# Altium PCB pcb.PcbDoc
Units mm, origin at the board's own origin, x right, y up, seen from the top; angles counter-clockwise.
Board outline 95 x 70 mm, 2 copper layers (Top Layer, Bottom Layer), stack 1.58 mm thick; 48 components, 33 nets, 129 pads, 44 vias.
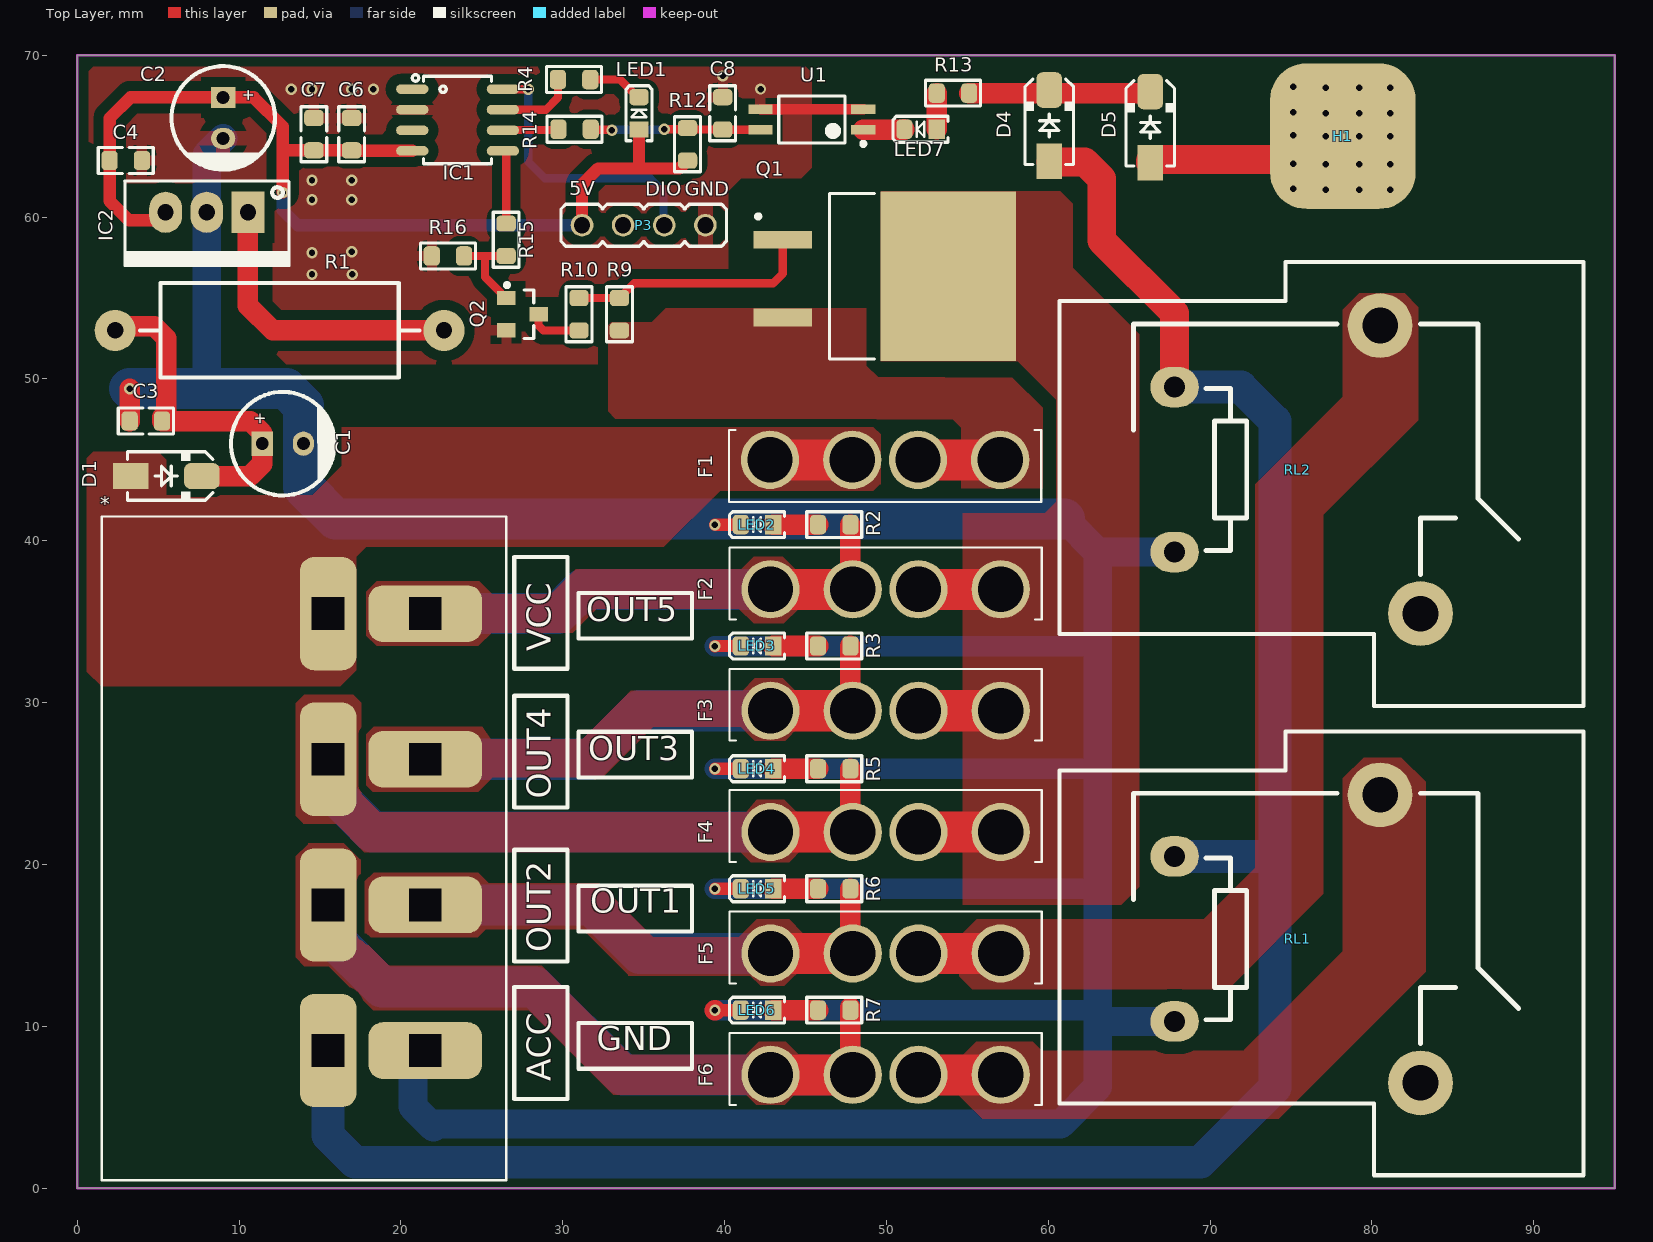
[diagram p0: Top Layer view]
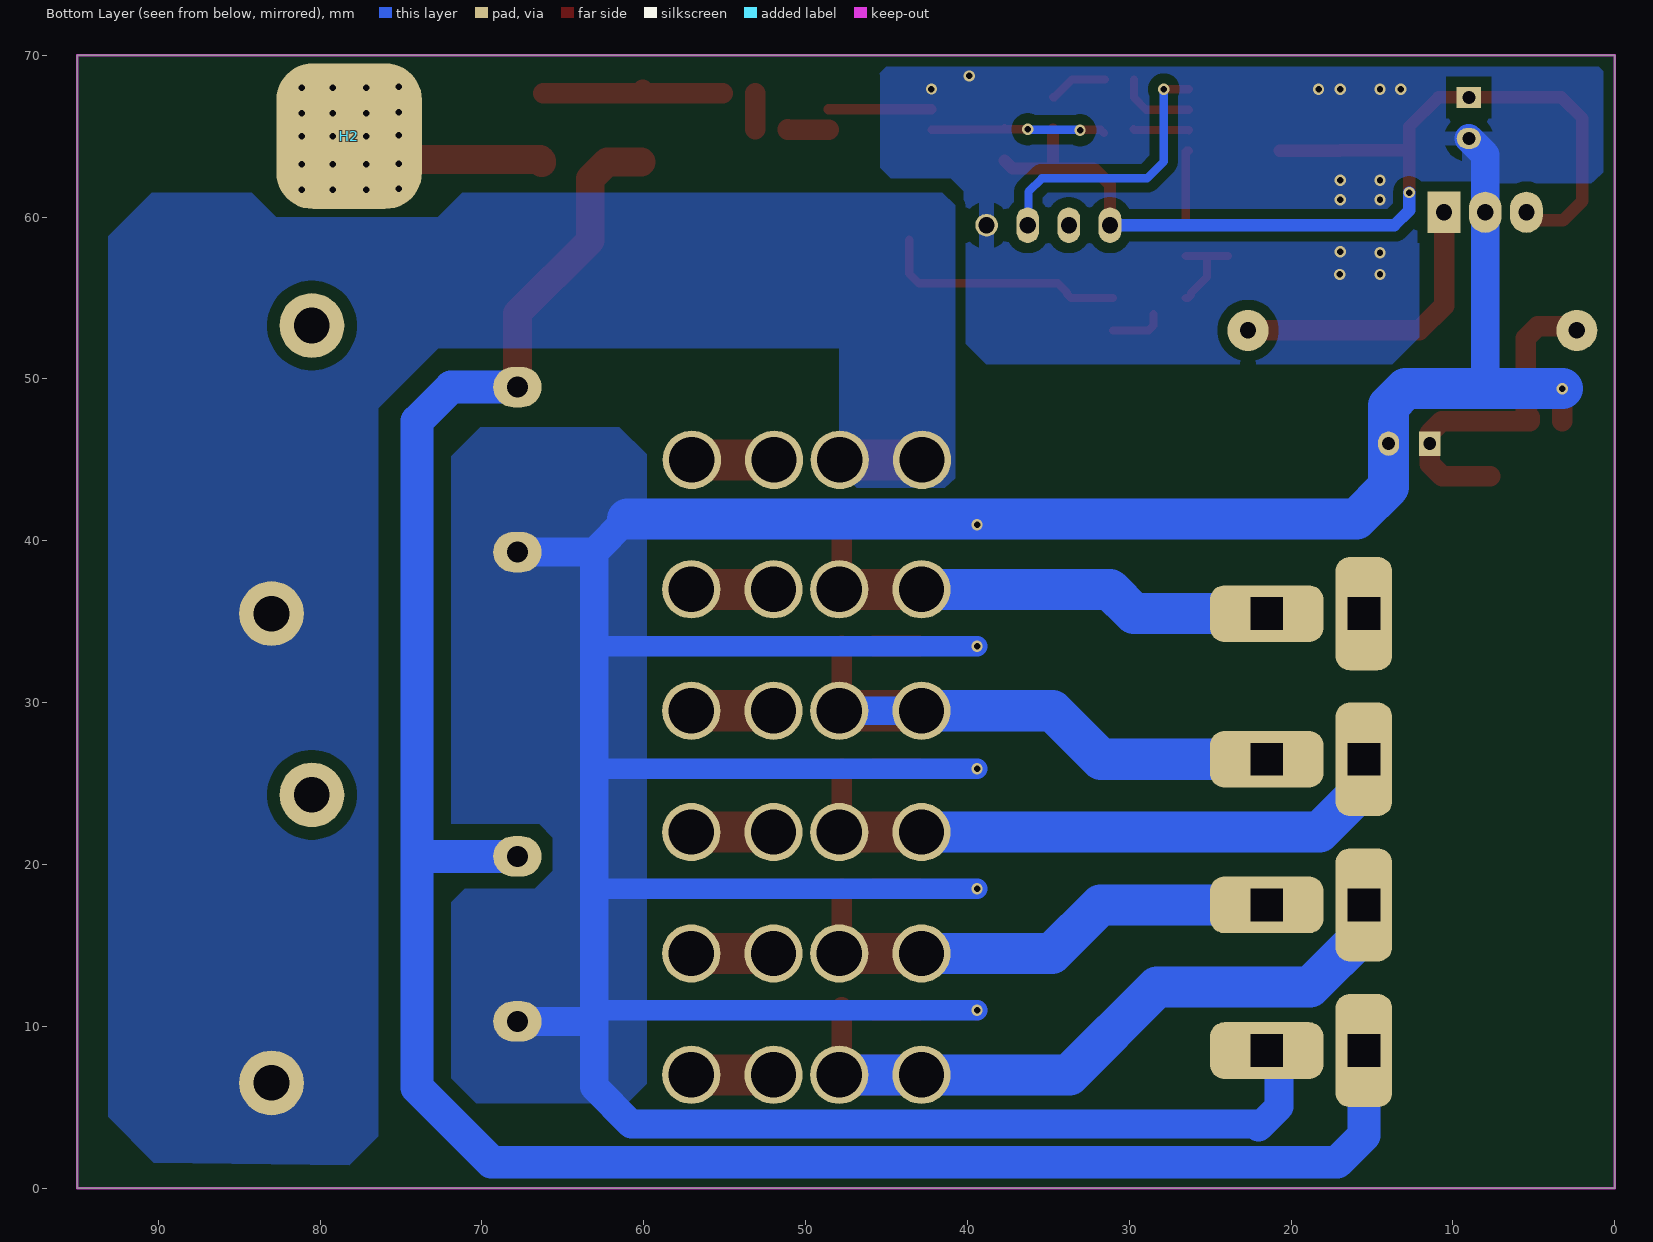
[diagram p1: Bottom Layer view, seen from below]

## Layer stack, top to bottom
Top Solder: solder mask 0.01, Solder Resist, Dk 3.5
Top Layer: signal copper 0.035
Dielectric 1: dielectric 1.51, FR-4, Dk 4.8
Bottom Layer: signal copper 0.035
Bottom Solder: solder mask 0.01, Solder Resist, Dk 3.5

## Board outline
0,0 0,70 95,70 95,0

## Design rules (kind name [scope] priority, off if disabled: settings)
Clearance AF2 [InNet('VA_F2')] p1: gap=0.254 ignorepadtopadclearanceinfootprint=TRUE except(0.762: Arc-Poly Track-Poly SMDPad-Poly THPad-Poly Via-Poly Fill-Poly Poly-Poly)
Clearance AF1 [InNet('VA_F1')] p2: gap=0.254 ignorepadtopadclearanceinfootprint=TRUE except(0.762: Arc-Poly Track-Poly SMDPad-Poly THPad-Poly Via-Poly Fill-Poly Poly-Poly)
Clearance "GND vs all" [InNet('GND')] p3: gap=0.254 ignorepadtopadclearanceinfootprint=TRUE except(0.635: Arc-Poly Track-Poly SMDPad-Poly THPad-Poly Via-Poly Fill-Poly Poly-Poly)
Clearance Clearance_1 [All] p4: gap=0.254 ignorepadtopadclearanceinfootprint=TRUE except(0.508: Arc-Poly Track-Track Track-Poly SMDPad-Poly THPad-Poly Via-Poly Fill-Poly Poly-Poly)
Clearance "OUT with all" [InNet('OUT')] p5: gap=0.254 ignorepadtopadclearanceinfootprint=TRUE except(0.508: Arc-Poly Track-Poly SMDPad-Poly THPad-Poly Via-Poly Fill-Poly Poly-Poly)
Clearance "VB_LOAD with all" [InNet('VB+_LOAD')] p6: gap=0.254 ignorepadtopadclearanceinfootprint=TRUE except(0.508: Arc-Poly Track-Poly SMDPad-Poly THPad-Poly Via-Poly Fill-Poly Poly-Poly)
Clearance "VB with all" [InNet('VB+')] p7: gap=0.254 ignorepadtopadclearanceinfootprint=TRUE except(0.762: Arc-Poly Track-Poly SMDPad-Poly THPad-Poly Via-Poly Fill-Poly Poly-Poly)
Height [All] p1: minheight=0 maxheight=40 prefheight=12.7
HoleSize [All] p1: absolutevalues=TRUE maxlimit=6 minlimit=0.1 maxpercent=80.000 minpercent=20.000
MinimumSolderMaskSliver [All] p1: minsoldermaskwidth=0.025
PlaneConnect [All] p1: planeconnectstyle=Relief reliefexpansion=0.508 reliefentries=4 reliefconductorwidth=0.889 reliefairgap=0.254
PolygonConnect [All] p1: thpad.connectstyle=Relief thpad.reliefconductorwidth=0.635 thpad.reliefentries=4 thpad.polygonreliefangle="90 Angle" thpad.airgapwidth=0.762 smdpad.connectstyle=Relief smdpad.reliefconductorwidth=0.635 smdpad.reliefentries=4 smdpad.polygonreliefangle="90 Angle" smdpad.airgapwidth=0.381 via.connectstyle=Relief via.reliefconductorwidth=0.635 via.reliefentries=4 via.polygonreliefangle="90 Angle" via.airgapwidth=0.381
RoutingVias [All] p1: holewidth=0.4 width=0.7 viastyle="Through Hole" minholewidth=0.3 minwidth=0.6 maxholewidth=1 maxwidth=2.5
SilkToSilkClearance [All] p1: silktosilkclearance=0.025
SilkToSolderMaskClearance [IsPad] p1: minsilkscreentomaskgap=0 clearancetoexposedcopper=TRUE
SolderMaskExpansion [All] p1: expansion=0.102 istentingtop=FALSE
SupplyNets "Schematic Supply Nets_1" [InNet('GND')] p1: voltage=0.000
SupplyNets "Schematic Supply Nets" [InNet('+5')] p2: voltage=0.000
UnRoutedNet [All] p1: checkbadconnections=TRUE
Width [All] p1: maxlimit=2.54 minlimit=0.254 preferedwidth=0.508
23 further rules are at their usual default settings.

## Components (designator, comment, footprint, x,y, rotation, side; value= is the part's Value field where it differs from the comment)
* "x" "Jack 4x2 (KH)" 26.5,41.5 r180 top
C1 "100uF/35V" C_6.3x12 12.699,46 r0 top
C2 "100uF/35V" C_6.3x12 9.016,66.13 r270 top
C3 "104" C_0805_SMD 4.238,47.399 r0 top
C4 "104" C_0805_SMD 3,63.5 r180 top
C6 "10uF/50V" C_0805_SMD 16.95,65.127 r270 top
C7 "104" C_0805_SMD 14.619,65.127 r270 top
C8 "104" C_0805_SMD 39.879,66.412 r270 top
D1 "SS24" D_SMA 5.5,44 r0 top
D4 "SS24" D_SMA 60.061,65.654 r90 top
D5 "SS24" D_SMA 66.3,65.554 r90 top
F1 "FUSE ATO 50A" "Fuse ATO" 40.007,42.09 r0 top (schematic designator X1)
F2 "FUSE ATO 20A" "Fuse ATO" 59.852,39.91 r180 top (schematic designator X2)
F3 "FUSE ATO 20A" "Fuse ATO" 59.852,32.41 r180 top (schematic designator X3)
F4 "FUSE ATO 20A" "Fuse ATO" 59.852,24.91 r180 top (schematic designator X4)
F5 "FUSE ATO 15A" "Fuse ATO" 59.852,17.41 r180 top (schematic designator X5)
F6 "FUSE ATO 15A" "Fuse ATO" 59.852,9.91 r180 top (schematic designator X6)
H1 "PAD_SMT" PAD_CELL_3X6 78.2,65 r270 top
H2 "PAD_SMT" PAD_CELL_3X6 78.2,65 r90 bottom
IC1 "CH32V003" SO_8 23.5,66 r0 top
IC2 "LM78xx" QTO-220 8,60.3 r180 top
LED1 "LED RED" "LED 0805 Red" 34.71,66.412 r90 top
LED2 "LED RED" "LED 0805 Red" 42,41 r180 top
LED3 "LED RED" "LED 0805 Red" 42,33.5 r180 top
LED4 "LED RED" "LED 0805 Red" 42,25.913 r180 top
LED5 "LED RED" "LED 0805 Red" 42,18.5 r180 top
LED6 "LED RED" "LED 0805 Red" 42,11 r180 top
LED7 "LED RED" "LED 0805 Red" 52.109,65.427 r180 top
P3 "HDR-M-4P" HDR_M_1X4 35,59.5 r180 top
Q1 "IRF4905S" TO-263 48.7,56.2 r270 top
Q2 "S8050" "SOT23_N NXP" 27.5,54 r0 top
R1 "47k" RES_2W 12.5,53 r0 top
R2 "10K" RES-SMD-0805 46.773,41 r0 top
R3 "10K" RES-SMD-0805 46.773,33.5 r0 top
R4 "2.2k" RES-SMD-0805 30.7,68.5 r180 top
R5 "10K" RES-SMD-0805 46.773,25.913 r0 top
R6 "10K" RES-SMD-0805 46.773,18.5 r0 top
R7 "10K" RES-SMD-0805 46.773,11 r0 top
R9 "10K" RES-SMD-0805 33.5,54 r90 top
R10 "4.7R" RES-SMD-0805 31,54 r270 top
R12 "4.7K" RES-SMD-0805 37.71,64.5 r90 top
R13 "2.2k" RES-SMD-0805 54.108,67.662 r0 top
R14 "1k" RES-SMD-0805 30.727,65.427 r0 top
R15 "2.2k" RES-SMD-0805 26.5,58.6 r90 top
R16 "10K" RES-SMD-0805 22.9,57.6 r180 top
RL1 "12V30A" "Relay 30A 5 Pin" 65.26,15.4 r270 top
RL2 "12V30A" "Relay 30A 5 Pin" 65.26,44.4 r270 top
U1 "EL3H7" SO_4-EL3H7-G_MFG 45.393,66.027 r180 top

## Footprints (in the part's own frame and the unit in brackets; to place one, negate y for a bottom-side part, rotate by r counter-clockwise, add the part's x,y. Pads: shape width x height; smd on the part's side, far side on the other; paste and mask are expansions set on the pad)
C_6.3x12 [mm] "pitch 2.5mm"
  rect 1.3x1.5 hole 0.8: 1(-1.27,0)
  oval 1.3x1.5 hole 0.8: 2(1.27,0)
  silkscreen extent -3.2,-3.2 3.2,3.2, body extent -3.15,-3.15 3.15,3.15, height 12.05
C_0805_SMD [mm]
  rrect50% 1x1.2 smd: 1(-1,0) 2(1,0)
  Top Layer pour cut-out: -0.5,0.8 0.5,0.8 0.5,-0.8 -0.5,-0.8
  silkscreen extent -1.7,-0.8 1.7,0.8, body extent -1,-0.63 1,0.62, height 1
D_SMA [mm] "SMA Molded Diode, 2-Leads, Body 4.3x2.7mm, SOD-128"
  rect 2.2x1.6 smd: 1(-2.2,0)
  rrect50% 2.2x1.6 smd: 2(2.2,0)
  silkscreen extent -2.4,-1.5 2.88,1.5, body extent -2.75,-1.4 2.75,1.4, height 2.6
"Fuse ATO" [mm]
  round 3.6 hole 2.8: 1A(2.796,2.91) 1B(7.876,2.91) 2A(11.936,2.91) 2B(17.016,2.91)
  silkscreen extent 0.26,0.32 19.56,4.76, body extent 0.35,0.78 19.65,5.22, height 7.62
HDR_M_1X4 [mm] "Connector; Header; 2 Position"
  round 1.4 hole 1 mask+0.1: 1(-3.81,0)
  round 1.4 / inner round 1.4 / far side oval 1.4x2.2 hole 1 mask+0.1: 2(-1.27,0) 3(1.27,0) 4(3.81,0)
  silkscreen extent -5.11,-1.3 5.11,1.3, body extent -5.08,-1.25 4.98,1.25, height 8.72
"Jack 4x2 (KH)" [mm]
  rrect50% 7x3.5 hole 2 square: 0(5,6) 2(5,15) 4(5,24)
  rrect50% 3.5x7 / inner round 1.524 / far side rrect50% 3.5x7 hole 2 square: 1(11,6) 7(11,33)
  rrect50% 3.5x7 hole 2 square: 3(11,15) 5(11,24)
  rrect50% 7x3.5 / inner round 1.524 / far side rrect50% 7x3.5 hole 2 square: 6(5,33)
  silkscreen extent 0,0 25,41
"LED 0805 Red" [mm]
  rect 1x1.2 smd: 1(-1,0)
  rrect50% 1x1.2 smd: 2(1,0)
  silkscreen extent -1.7,-0.8 1.7,0.8, body extent -1,-0.63 1,0.63, height 0.9
PAD_CELL_3X6 [mm]
  rrect50% 9x9 smd: 1(0,0)
  body extent -3,-1.5 3,1.5, height 0.3
QTO-220 [mil] "TO-220 - 1-2-3"
  rect 80x100 hole 39: 1(-100,0)
  oval 80x100 hole 39: 2(0,0) 3(100,0)
  silkscreen extent -200,-76 200,130, body extent -200,-63 200,108, height 803
"Relay 30A 5 Pin" [mm]
  oval 2.5x3 hole 1.3: 1(-5.1,2.54) 2(5.1,2.54)
  round 4 hole 2.2: 3(-8.9,15.24) 5(8.9,17.74)
  silkscreen extent -12.83,-4.57 14.6,27.81, body extent -13.79,-4.24 13.72,27.96, height 21.42
RES-SMD-0805 [mm]
  rrect50% 1x1.2 smd paste-0.1 mask+0.075: 1(-1,0) 2(1,0)
  Top Layer pour cut-out: -0.5,0.697 0.5,0.697 0.5,-0.713 -0.5,-0.713
  silkscreen extent -1.7,-0.8 1.7,0.8, body extent -1.15,-0.67 1.15,0.67, height 0.76
RES_2W [mil] "R2W"
  round 100 hole 40: 1(-400,0) 2(400,0)
  silkscreen extent -340,-115 340,115, body extent -414,-110 414,106, height 217
SO_4-EL3H7-G_MFG [mm]
  rect 1.5x0.6 smd paste+0 mask+0: 1(-3.175,0.635) 2(-3.175,-0.635) 3(3.175,-0.635) 4(3.175,0.635)
  silkscreen extent -3.3,-1.45 2.05,1.62, body extent -3.5,-1.35 3.5,1.35, height 2
SO_8 [mm] "SOP-8, 5x3.9mm body 1.27mm pitch, SOT96-1, M08A, S8, SOIC8, VO8, MS-012AA(JEDEC), R-8, 8S2, VOG8"
  oval 2x0.6 smd: 1(-2.8,1.905) 2(-2.8,0.635) 3(-2.8,-0.635) 4(-2.8,-1.905) 5(2.8,-1.905) 6(2.8,-0.635) 7(2.8,0.635) 8(2.8,1.905)
  silkscreen extent -2.8,-2.7 2.1,2.8, body extent -3,-2.45 3,2.45, height 1.7
"SOT23_N NXP" [mil] "SOT23, 3-Leads, Body 3x1.4mm, Pitch 0.95mm, IPC Medium Density"
  rect 45x35 smd: 1(-39.37,39.37) 2(-39.37,-39.37) 3(39.37,0)
  silkscreen extent -42,-59 28,76, body extent -50,-59 50,59, height 39
TO-263 [mm]
  rect 1.1x3.6 smd: 1(-2.396,-5.106) 3(2.396,-5.106)
  rect 10.49x8.38 smd paste+0 mask+0: 2(-0.144,5.106)
  silkscreen extent -5.26,-6.75 4.97,0.54, body extent -5.21,-6.68 5.21,9.12, height 4.83

## Part data
*: library part "Jack 4x2 250x410mm (KH)"
C1 C2: library part "Cap Pol 100uF/35V", "Polarized Capacitor (Axial) 100uF 35V", Code=1402-225
C3 C4 C7 C8: library part "Cap 0805 104 100nF", "Cap SMD 0805 104-100nF-0.1uF 50V", Code=1438-080
C6: library part "Cap 0805 10uF 50V", "Cap SMD 0805 10uF 50V", Code=1438-100
D1 D4 D5: library part SS24-SMA, "Diode Schottky 2A SS24 DO-241", Code=2005-023
F1 F2 F3 F4 F5 F6: library part "FUSE ATO", Package=None, Availability=Unavailable, MF="{'manufacturer': u'Keystone Electronics'}", MP=3522-2, Price=None
H1 H2: library part PAD_6x3x0_3, "PAD_6x3x0_3", Code=N/A
IC1: library part CH32V003J4M6, "ROM 16KB, SRAM 2KB, 1920B BootLoader", Code=N/A, Designed by=Nhox
IC2: library part "LM7805 QTO-220", "LM7805 QTO-220", Code=5102-037
LED1 LED2 LED3 LED4 LED5 LED6 LED7: library part "LED 0805 RED", "LED 0805 SMD RED", Code=8600-017, Designed by=TranLuyen
P3: library part "HDR 2.54 M 4 Pin", "HDR 2.54 MALE", Code="3504-028 * 0.1"
Q1: library part "IRF4905S - TO-263", "Trans MOSFET P-CH 55V 74A 3-Pin", Code=1901-043
Q2: library part "S8050 SOT-23", "J3Y-NPN SMD Transistor SOT23", Code=1701-070
R1: library part "Res 2W 47K", "Res 2W", Code=1008-079
R2 R3 R5 R6 R7 R9 R16: library part "Res 10k 0805", "Resistor SMD 0805", Code=1024-111
R4 R13 R15: library part "Res 2.2K 0805", "Resistor SMD 0805", Code=1024-094
R10: library part "Res 4.7R 0805", "Resistor SMD 0805", Code=1024-030
R12: library part "Res 4.7k 0805", "Resistor SMD 0805", Code=1024-103
R14: library part "Res 1k 0805", "Resistor SMD 0805", Code=1024-086
RL1 RL2: library part "Relay SLA-12VDC-SL-A-30A 5P", "Relay SLA-12VDC-SL-A-30A 5P", Code=2403-209
U1: library part "EL3H7(C)(TA)-VG SSOP-4", "Optocoupler DC-IN 1-CH Transistor DC-OUT 4-Pin SSOP T/R", Code=2303-012, ComponentLink1Description=Datasheet, ComponentLink1URL=https://datasheet.octopart.com/EL3H7%28C%29%28TA%29-VG-Everlight-datasheet-101745741.pdf, Designed by=TranLuyen

## Via types
v1: diameter 0.7, hole 0.4, Top Layer to Bottom Layer, tented both sides, 24 vias
v2: diameter 0.8, hole 0.4, Top Layer to Bottom Layer, tented both sides, 20 vias

## Nets (pads, with @x,y where several pads share a name; then routed paths per layer and width w, separated by ;. In a path a pad name is that pad's centre, name@x,y a point inside that pad or via, vN(x,y) a via of type N, cw(c..) or ccw(c..) an arc to the next point about the centre after c; other vN are vias at no path point)
+5: C2.1 C4.2 C6.2 C7.2 IC1.4 IC2.3 LED1.1 P3.4 R12.1 | length 65.2
  Top Layer w0.762: IC2.3@5.46,59.8 3.2,59.8 2,61 C4.2 2,66.109 3.291,67.4 C2.1 10.9,67.4 12.699,65.601 12.699,64.027 ; v1(12.699,61.519) 12.699,64.027 ; C6.2 12.799,64.127 12.699,64.027 ; C6.2@16.982,64.095 IC1.4 ; P3.4 31.19,62.005 32.185,63 34.71,63 ; LED1.1 34.71,63 ; R12.1 37.21,63 34.71,63
  Bottom Layer w0.762: v1(12.699,61.519) 12.699,60.42 13.619,59.5 P3.4
A_OUT1: *.4 F5.2A F5.2B R6.2 | length 31.7
  Top Layer w1.27: F5.2A@47.773,14.643 R6.2
  Top Layer w2.54: F5.2B F5.2A
  Bottom Layer w2.54: *.4 31.783,17.5 34.783,14.5 F5.2B ; F5.2A@47.773,14.643 F5.2A
A_OUT2: *.5 F6.2A F6.2B R7.2 | length 47.1
  Top Layer w1.27: R7.2@47.773,11.184 47.773,7.143 F6.2A
  Top Layer w1.778: *.5@15.5,15.75 *.5
  Top Layer w2.54: F6.2B F6.2A
  Bottom Layer w2.54: *.5@15.5,15.75 18.827,12.423 28.277,12.423 33.7,7 F6.2B F6.2A
B+_Sig: IC1.5 R15.2 | length 4.7
  Top Layer w0.508: IC1.5 26.458,64.095 26.5,64.053 R15.2
B_OUT1: *.0 F2.2A F2.2B R2.2 | length 31.1
  Top Layer w1.27: F2.2A@47.773,37.143 R2.2
  Top Layer w2.54: F2.2B F2.2A
  Bottom Layer w2.54: *.0 29.7,35.5 31.2,37 F2.2B ; F2.2A@47.773,37.143 F2.2A
B_OUT2: *.2 F3.2A F3.2B R3.2 | length 36.8
  Top Layer w1.27: R3.2 47.773,29.643 F3.2A
  Top Layer w2.54: F3.2B F3.2A
  Bottom Layer w1.778: F3.2B F3.2A
  Bottom Layer w2.54: *.2 31.741,26.5 34.741,29.5 F3.2B
B_OUT3: *.3 F4.2A F4.2B R5.2 | length 41
  Top Layer w1.27: R5.2 47.773,22.143 F4.2A
  Top Layer w1.778: *.3@15.5,24.75 *.3
  Top Layer w2.54: F4.2B F4.2A
  Bottom Layer w2.54: *.3 15.5,24.75 18.25,22 F4.2B
DIO: IC1.8 P3.2 | length 17.3
  Top Layer w0.508: IC1.8 v1(27.86,67.905)
  Bottom Layer w0.508: v1(27.86,67.905) 27.86,63.44 28.9,62.4 35.399,62.4 36.229,61.57 36.229,59.541 P3.2
GND: *.6 C1.2 C2.2 C3.1 C4.1 C6.1 C7.1 C8.1 IC1.2 IC2.2 LED2.2 LED3.2 LED4.2 LED5.2 LED6.2 P3.1 Q2.2 R16.2 RL1.2 RL2.2 U1.2 U1.3 | length 284.3
  Top Layer w0.635: U1.3 U1.2
  Top Layer w0.762: v1(39.403,18.5) LED5.2 ; v1(39.403,25.913) LED4.2 ; v1(39.403,33.492) 39.411,33.5 LED3.2 ; v1(39.403,41) LED2.2 ; v1@39.411,11 LED6.2
  Top Layer w1.27: C3.1 v1(3.238,49.4) ; v1(39.403,10.992) v1@39.411,11
  Bottom Layer w0.762: 62.471,10.992 63.063,10.4 ; 62.963,25.913 63.063,25.814 ; 63.055,18.5 63.063,18.492
  Bottom Layer w1.27: v1(39.403,10.992) 62.471,10.992 ; v1(39.403,18.5) 63.055,18.5 ; v1(39.403,25.913) 62.963,25.913 ; v1(39.403,33.492) 63.063,33.492
  Bottom Layer w1.778: 8.079,49.4 8,49.479 IC2.2 8,63.844 C2.2 ; *.6 20.736,7.736 20.736,5.026 22.005,3.758 ; 22.005,3.958 60.758,3.958 63.063,6.263 63.063,10.4 ; 61.013,41.35 63.063,39.3 ; RL1.2 63.163,10.3 63.063,10.4 ; RL2.2 63.063,39.3 ; 63.063,10.4 63.063,18.492 63.063,25.814 63.063,33.492 63.063,39.3
  Bottom Layer w2.54: v1(3.238,49.4) 8.079,49.4 12.919,49.4 13.969,48.35 C1.2 13.969,43.334 15.953,41.35 61.013,41.35
  other v1: 14.503,56.457 16.982,56.457 14.503,57.799 16.95,57.85 14.503,61.066 16.95,61.066 14.503,62.27 16.95,62.27 13.211,67.9 14.503,67.9 16.95,67.9 18.3,67.9 42.218,67.912 39.879,68.722
INPUT: IC1.6 R14.1 | length 3.5
  Top Layer w0.508: IC1.6 26.318,65.383 29.683,65.383 R14.1
NetC1_1: C1.1 C3.2 D1.2 R1.1 | length 21
  Top Layer w1.27: R1.1 2.583,53.243 3.481,53.243 3.488,53.25 4.756,53.25 5.5,52.506 5.5,47.908 5.238,47.646 C3.2 10.685,47.399 11.429,46.655 C1.1 11.429,45 ; D1.2 10.67,44 11.414,44.744
NetC8_2: C8.2 R12.2 R14.2 U1.4 | length 10.8
  Top Layer w0.508: R14.2@31.553,65.192 31.758,65.396 33.006,65.396 v1(33.037,65.365) ; v1(36.27,65.427) R12.2@37.71,65.427 ; R12.2 37.798,65.412 C8.2 ; C8.2@39.899,65.392 U1.4
  Bottom Layer w0.508: v1(33.037,65.365) 33.068,65.396 36.239,65.396 v1(36.27,65.427)
NetD4_2: D4.2 D5.2 R13.2 | length 11.3
  Top Layer w1.27: R13.2 60.023,67.662 60.061,67.7 D4.2 ; D4.2@60.061,67.662 D5.2@66.211,67.662
NetD5_1: D5.1 H1.1 H2.1 | length 9.1
  Top Layer w1.778: D5.1 66.3,63.476 66.389,63.565 74.883,63.565 v2(75.143,63.305)
  other v2: 77.143,61.698 79.229,61.698 81.143,61.698 75.143,61.749 77.143,63.254 79.229,63.254 81.143,63.254 77.143,65 79.229,65 81.143,65 75.143,65.051 77.143,66.427 79.229,66.427 81.143,66.427 75.143,66.478 77.143,68 79.229,68 81.143,68 75.143,68.051
NetIC1_7: IC1.7 R4.2 | length 4.8
  Top Layer w0.508: IC1.7 28.95,66.635 29.7,67.385 R4.2
NetIC2_1: IC2.1 R1.2 | length 18
  Top Layer w1.27: IC2.1@10.54,59.8 10.54,54.539 12.079,53 R1.2
NetLED1_2: LED1.2 R4.1 | length 3.7
  Top Layer w0.508: R4.1@31.5,68.5 33.522,68.5 34.61,67.412 LED1.2
NetLED2_1: LED2.1 R2.1 | length 2.8
  Top Layer w1.27: LED2.1 R2.1
NetLED3_1: LED3.1 R3.1 | length 2.8
  Top Layer w1.27: LED3.1 R3.1
NetLED4_1: LED4.1 R5.1 | length 2.8
  Top Layer w1.27: LED4.1 R5.1
NetLED5_1: LED5.1 R6.1 | length 2.8
  Top Layer w1.27: LED5.1 R6.1
NetLED6_1: LED6.1 R7.1 | length 2.8
  Top Layer w1.27: LED6.1 R7.1
NetLED7_1: LED7.1 R13.1 | length 2.2
  Top Layer w1.27: LED7.1 R13.1
NetLED7_2: LED7.2 U1.1 | length 2.6
  Top Layer w1.27: U1.1 48.586,65.409 51.091,65.409 LED7.2
NetQ1_1: Q1.1 R9.2 R10.1 | length 15.4
  Top Layer w0.508: R10.1 R9.2 33.6,55 33.846,55.246 33.846,55.346 34.412,55.912 42.985,55.912 43.594,56.521 Q1.1
NetQ2_1: Q2.1 R15.1 R16.1 | length 5.8
  Top Layer w0.508: R16.1 25.2,57.6 ; Q2.1 26.373,55 26.182,55.191 26.182,55.318 25.2,56.3 25.2,57.6 ; R15.1 25.2,57.6
NetQ2_3: Q2.3 R10.2 | length 3.3
  Top Layer w0.508: Q2.3 28.5,53.298 28.798,53 R10.2
OUT: F2.1A F2.1B F3.1A F3.1B F4.1A F4.1B Q1.2 | length 15.2
  Top Layer w2.54: F4.1B F4.1A ; F3.1B F3.1A ; F2.1B F2.1A
VA+: *.7 D4.1 RL1.1 RL2.1 | length 139.2
  Top Layer w1.778: D4.1@60.15,63.41 62.258,63.41 63.3,62.368 63.3,58.554 67.8,54.054 RL2.1
  Bottom Layer w2.032: *.7 15.5,3.242 17.143,1.599 69.399,1.599 74,6.2 74,20.25 ; RL1.1 73.75,20.5 74,20.25 ; RL2.1 71.9,49.5 74,47.4 74,20.25
VA_F1: F5.1A F5.1B RL2.3 | length 5.1
  Top Layer w2.54: F5.1B F5.1A
VA_F2: F6.1A F6.1B RL1.3 | length 5.1
  Top Layer w2.54: F6.1B F6.1A
VB+: *.1 D1.1 F1.1A F1.1B RL1.5 RL2.5 | length 5.1
  Top Layer w2.54: F1.1A F1.1B
VB+_LOAD: F1.2A F1.2B Q1.3 R9.1 | length 5.1
  Top Layer w2.54: F1.2A F1.2B
pads on no net: IC1.1 IC1.3 P3.3

## Polygon pours and split planes (outlines as drawn)
GND on Top Layer "GND_L02_P009" (solid, pour order 10): 12.919,50.9 12.079,51.74 12.079,61.786 11.67,62.1 1.442,62.1 1.442,62.058 0.5,63 0.5,68.8 1.2,69.5 44.8,69.5 45.4,68.9 45.393,68.7 45.393,63.055 44.738,62.4 41,62.4 41,62.374 40.229,61.603 40.229,52.3 38.829,50.9
VA_F2 on Top Layer "VA_F2_L01_P031" (solid, pour order 31): 54.5,8.008 55.542,9.05 59.046,9.05 59.596,8.5 72.1,8.5 72.1,8.539 78.2,14.639 78.2,22.8 78.2,25.314 79.486,26.6 81.82,26.6 83.312,25.108 83.312,13.367 74.245,4.3 55.906,4.3 54.5,5.706 54.5,7.8
VA_F1 on Top Layer "VA_F1_L01_P030" (solid, pour order 30): 54.5,15.525 55.575,16.6 69.6,16.6 72.8,19.8 72.8,43.5 78.2,48.9 78.2,54.261 79.229,55.289 82.011,55.289 82.859,54.441 82.859,47.459 77,41.6 77,18.181 71.119,12.3 55.306,12.3 54.5,13.106 54.5,14.45
A_OUT2 on Top Layer "A_OUT2_L01_P027" (solid, pour order 27): 45.469,8.008 45.24,8.237 44.578,8.237 43.766,9.05 42.113,9.05 41.3,8.237 34.2,8.237 28.694,13.744 19.319,13.744 19.3,13.725 17.502,15.522 17.502,20.57 16.772,21.3 14.263,21.3 14.263,21.263 13.509,20.509 13.509,14.255 14.04,13.725 15.549,13.725 18.274,11 27.884,11 33.121,5.763 41.347,5.763 41.959,5.15 43.703,5.15 44.316,5.763 45.294,5.763 45.469,5.938
A_OUT1 on Top Layer "A_OUT1_L01_P025" (solid, pour order 25): 45.57,15.528 45.361,15.737 44.836,15.737 44.836,15.75 43.986,16.6 41.984,16.6 40.887,15.503 40.887,15.5 35.591,15.5 32.241,18.85 25.431,18.85 24.781,19.5 18.312,19.5 17.744,18.931 17.744,15.75 17.868,15.75 18.118,15.5 24.748,15.5 25.248,16 31.23,16 32.98,14.25 34.031,13.199 34.031,13.122 41.575,13.122 42.228,12.5 43.694,12.5 44.938,13.744 45.299,13.744 45.57,14.015
B_OUT3 on Top Layer "B_OUT3_L01_P024" (solid, pour order 24): 45.24,23.237 45.429,23.048 45.429,21 44.836,21 43.986,20.15 41.6,20.15 41,20.75 17.744,20.75 15.994,22.5 13.969,22.5 13.969,22.54 13.509,23 13.509,29.97 14.04,30.5 17.059,30.5 17.559,30 17.559,24.381 18.703,23.237 41.347,23.237 41.984,24 43.694,24 44.456,23.237
B_OUT2 on Top Layer "B_OUT2_L01_P015" (solid, pour order 15): 45.36,30.513 45.304,30.457 45.304,28.5 44.586,28.5 43.736,27.65 41.85,27.65 41,28.5 35.591,28.5 32.471,25.38 25.657,25.38 24.781,24.504 24.781,24.5 18.256,24.5 17.868,24.888 17.868,28.056 18.312,28.5 25.029,28.5 25.54,27.737 31.2,27.737 34.2,30.737 41.112,30.737 41.875,31.5 43.599,31.5 44.586,30.513
B_OUT1 on Top Layer "B_OUT1_L01_P013" (solid, pour order 13): 45.429,36.1 45.145,35.816 44.586,35.816 43.668,34.9 41.803,34.9 40.887,35.816 32.109,35.816 30.618,34.325 25.606,34.325 24.781,33.5 18.504,33.5 17.868,34.136 17.868,36.856 18.513,37.5 24.846,37.5 25.65,36.696 29.248,36.696 30.79,38.237 41.031,38.237 41.794,39 43.594,39 44.544,38.05 45.049,38.05 45.429,37.669
VB+ on Top Layer "VB+_L01_P002" (solid, pour order 2): 49.195,43.1 49.595,43.5 49.633,43.5 49.633,46.587 49.195,47.026 16.35,47.026 16.35,44.647 14.503,42.8 5.5,42.8 5.5,45 5.488,45 4.988,45.5 1,45.5 0.5,45 0.5,32 1.5,31 16.25,31 17.25,32 17.25,39 17.868,39.618 36.236,39.618 39.718,43.1
VB+_LOAD on Top Layer "VB+_LOAD_L01_P003" (solid, pour order 3): 54.608,47 54.108,47.5 33.3,47.5 32.803,47.997 32.803,52.3 32.803,53.329 32.973,53.5 35.507,53.5 36.36,54.354 48.75,54.354 48.75,50.829 49.453,50.126 57.781,50.089 59.66,48.21 59.66,43.25 54.608,43.25
OUT on Top Layer "OUT_L01_P004" (solid, pour order 4): 49.633,61.589 49.633,51.099 58.109,51.099 60.5,48.707 60.5,42.41 59.787,41.697 54.72,41.697 54.72,23.613 54.72,17.5 64.5,17.5 65.617,18.617 65.617,52.752 62,56.369 61.5,56.869 61.5,60.832 60.744,61.589
VB+ on Bottom Layer "VB+_L02_P006" (solid, pour order 6): 78.193,1.407 76.4,3.2 76.4,48.195 72.71,51.886 47.916,51.886 47.916,44.337 46.679,43.109 41.564,43.109 40.762,43.876 40.762,60.723 41.548,61.509 71.215,61.509 72.724,60 82.7,60 84.209,61.509 90.397,61.509 93.097,58.809 93.097,4.397 90.261,1.561
GND on Bottom Layer "GND_L02_P009" (solid, pour order 9): 13.749,50.9 12.079,52.57 12.079,61.786 11.67,62.1 1.442,62.1 1.442,62.058 0.5,63 0.5,68.8 1.2,69.5 44.8,69.5 45.4,68.9 45.393,68.7 45.393,63.055 44.738,62.4 41,62.4 41,62.374 40.229,61.603 40.229,52.3 38.829,50.9
GND on Bottom Layer "GND_L02_P032" (solid, pour order 32): 61.5,47.026 59.813,45.34 59.813,6.437 61.01,5.24 70.34,5.24 71.9,6.8 71.9,17.659 71.067,18.492 66.728,18.492 65.617,19.602 65.617,21.665 66.452,22.5 71.9,22.5 71.9,45.237 70.111,47.026

## Keep-outs
Keep-Out Layer:
  the board outline again, w0.15

## Silkscreen, mask and mechanical layers (free items; w line width, h text height)
Top Overlay:
  lines w0.254: 27,5.513 30.287,5.513 30.287,12.423 27,12.423 27,5.513 ; 27,14 30.287,14 30.287,20.91 27,20.91 27,14 ; 27,23.513 30.287,23.513 30.287,30.423 27,30.423 27,23.513 ; 27,32.09 30.287,32.09 30.287,39 27,39 27,32.09 ; 30.976,7.38 37.977,7.38 37.977,10.198 30.976,10.198 30.976,7.38 ; 30.976,15.867 37.977,15.867 37.977,18.686 30.976,18.686 30.976,15.867 ; 30.976,25.38 37.977,25.38 37.977,28.198 30.976,28.198 30.976,25.38 ; 30.976,33.957 37.977,33.957 37.977,36.776 30.976,36.776 30.976,33.957
  text "5V" at 30.386,61.044 h1.52
  text "DIO" at 35.095,61.025 h1.52
  text "GND" at 37.547,61.025 h1.52
  text "OUT5" at 31.457,34.531 h2.54
  text "VCC" at 29.75,33.161 h2.54 r90
  text "OUT3" at 31.569,25.936 h2.54
  text "OUT4" at 29.75,24.046 h2.54 r90
  text "OUT1" at 31.705,16.531 h2.54
  text "OUT2" at 29.75,14.577 h2.54 r90
  text "GND" at 32.087,8.031 h2.54
  text "ACC" at 29.75,6.599 h2.54 r90
Mechanical 2:
  the board outline again, w0.15

## Text inside footprints (layer, text, board x,y; h text height)
C1: Mechanical 15 "+" at 10.905,47.015 h1.2; Top Overlay "+" at 10.905,47.015 h1.2
C2: Mechanical 15 "+" at 10.031,67.924 h1.2 r270; Top Overlay "+" at 10.031,67.924 h1.2 r270